# Altium PCB EASY-EAI-Nano-TB V1.01.PCBDOC (part 4 of 7)
Units mm, origin at the board's own origin, x right, y up, seen from the top; angles counter-clockwise.
Board outline 120 x 90 mm, 4 copper layers (Top Layer, GND, VCC, Bottom Layer); 667 components, 452 nets, 2251 pads, 1430 vias.
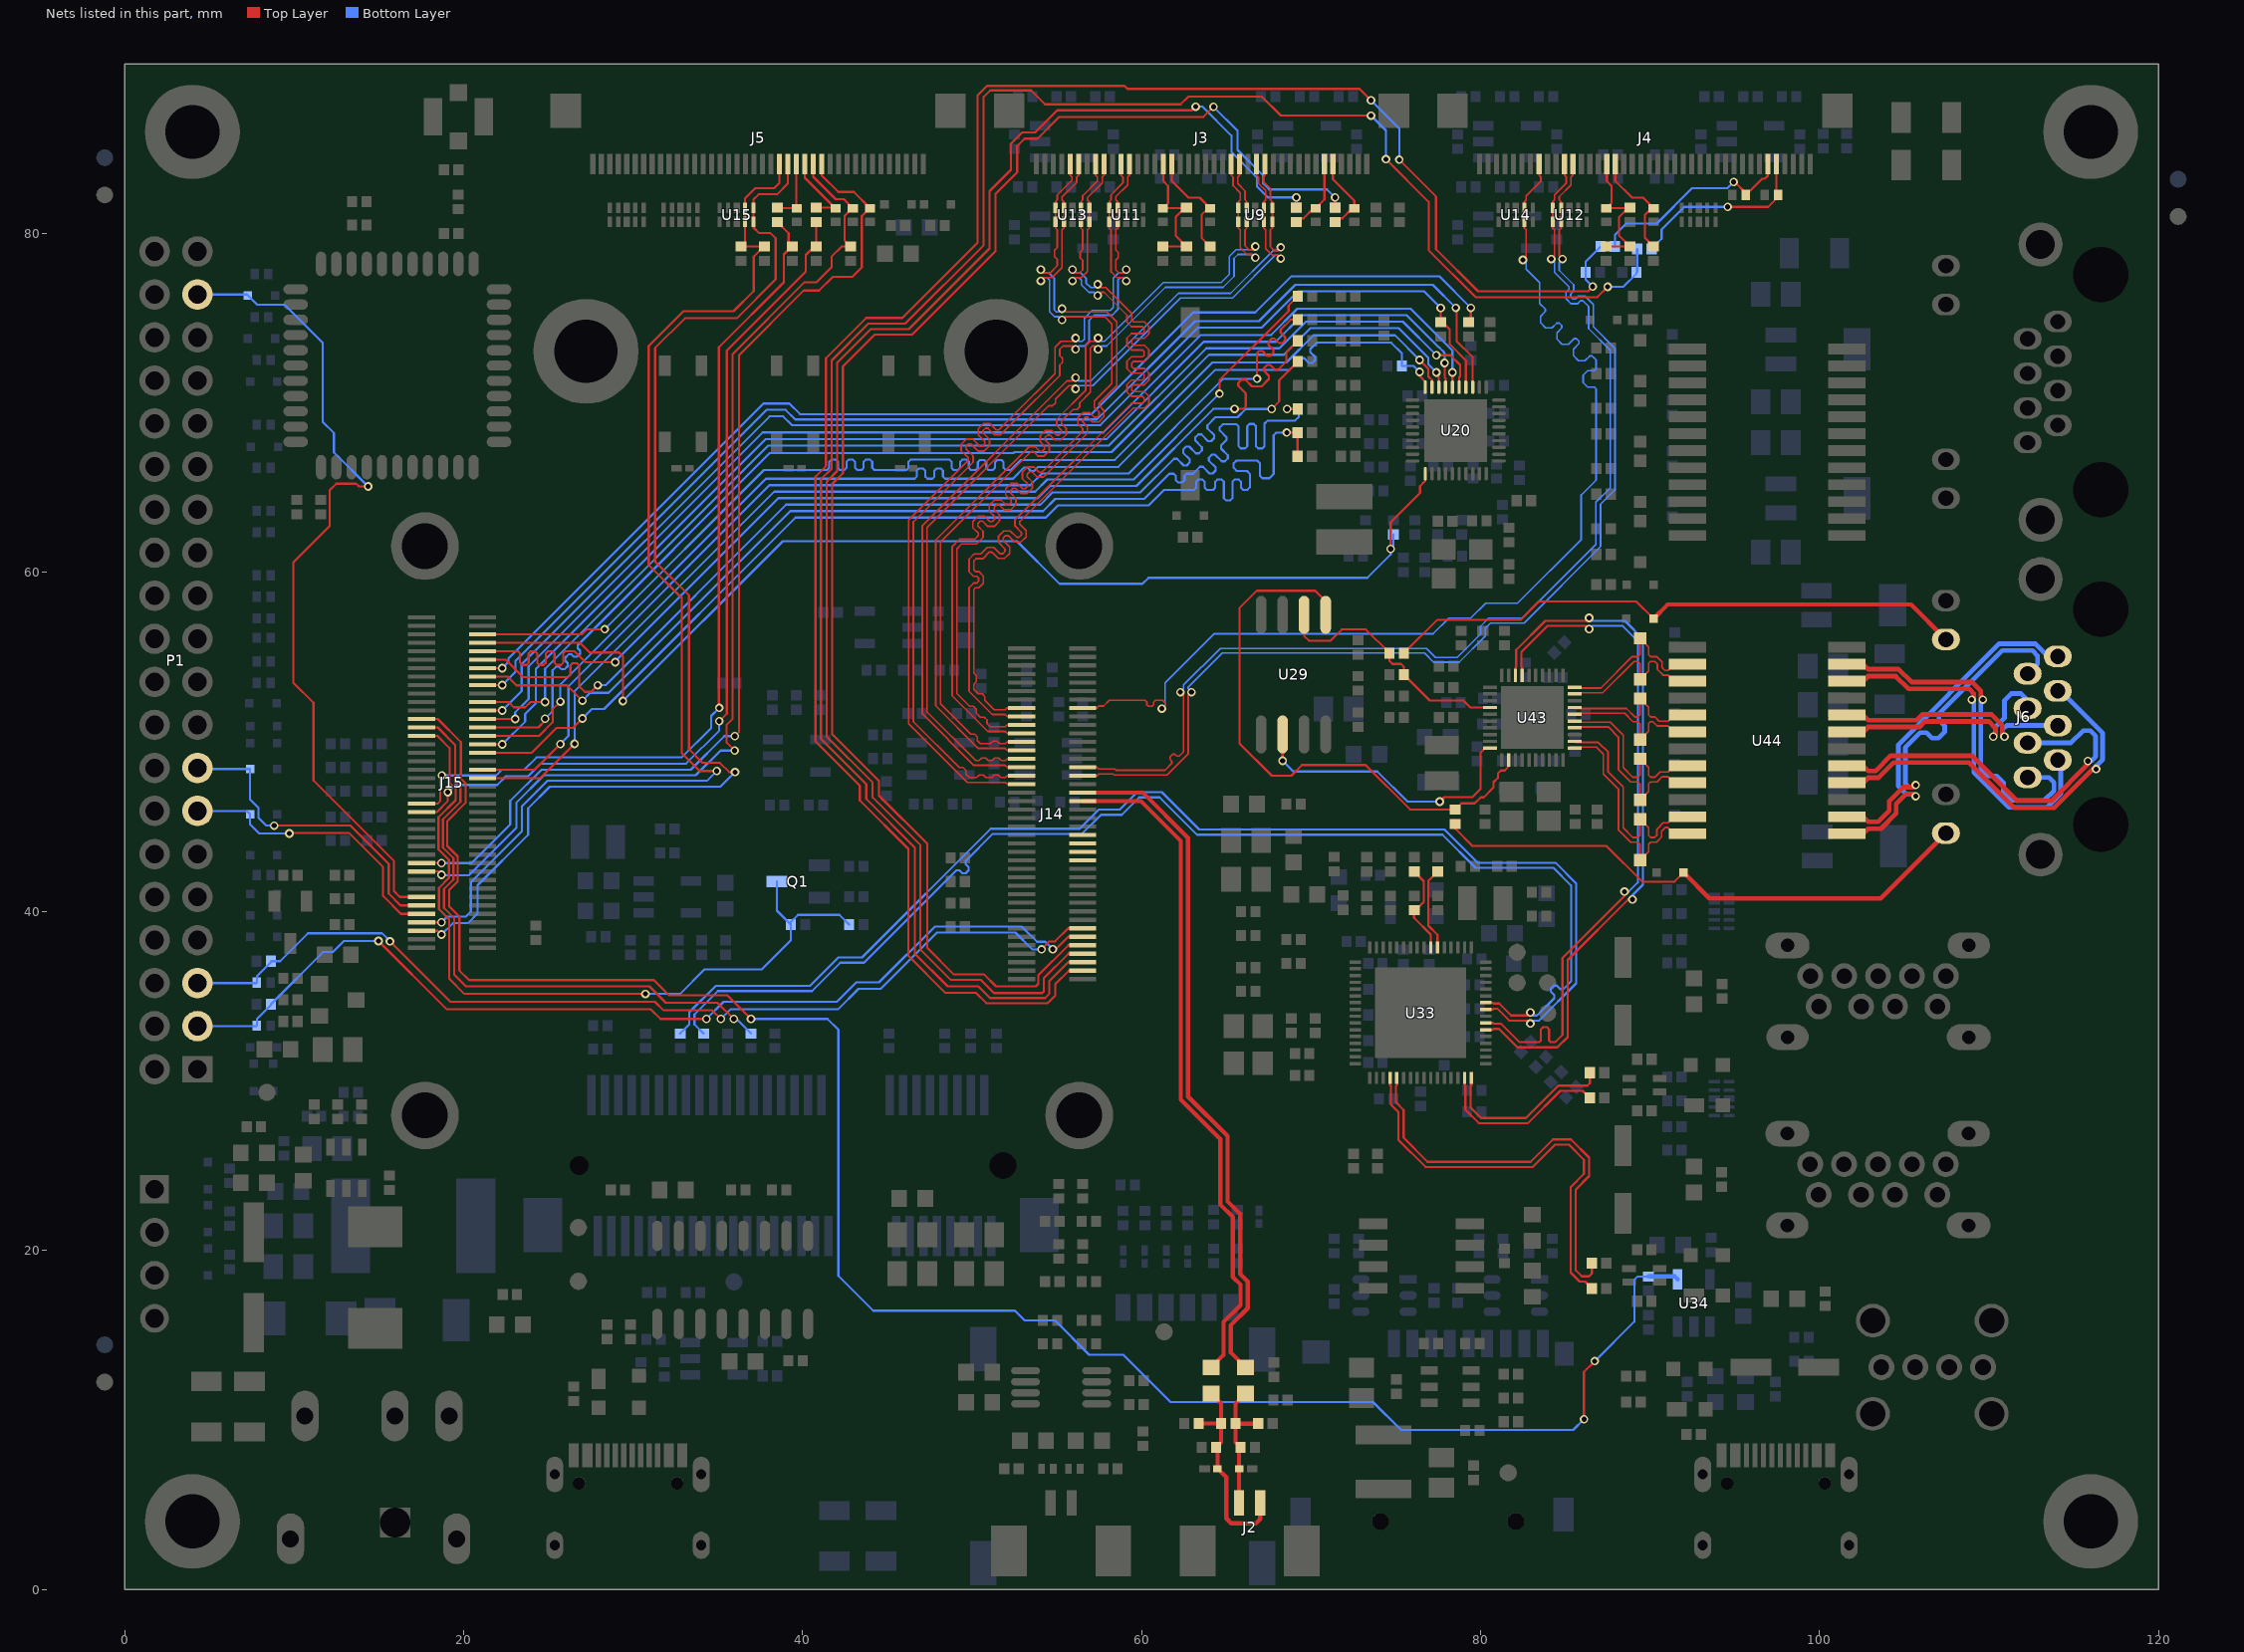
[diagram p6: the nets of this part, all layers, seen from the top]

## Via types
v1: diameter 0.508, hole 0.305, Top Layer to Bottom Layer, tented both sides, 1430 vias

## Nets (pads, with @x,y where several pads share a name; then routed paths per layer and width w, separated by ;. In a path a pad name is that pad's centre, name@x,y a point inside that pad or via, vN(x,y) a via of type N, cw(c..) or ccw(c..) an arc to the next point about the centre after c; other vN are vias at no path point) (continued)
ETH_MDC_M0: J15.63 U20.13 | length 73.7
  Top Layer w0.127: J15.63@21.124,53.359 v1(22.285,53.359) ; v1(78.54,75.62) 78.591,75.569 78.591,73.652 79.54,72.703 U20.13@79.54,70.931
  Bottom Layer w0.127: v1(22.285,53.359) 23.072,54.147 23.072,54.797 37.871,69.596 39.009,69.596 39.577,69.028 57.359,69.028 63.165,74.834 66.928,74.834 69.072,76.978 77.182,76.978 v1(78.54,75.62)
ETH_MDIO_M0: J15.57 R84.1 U20.14 | length 73.9
  Top Layer w0.127: J15.57@21.124,51.859 v1(22.285,51.859) ; v1(77.651,75.611) R84.1@77.651,74.775 77.753,74.775 78.187,74.341 78.187,73.472 79.14,72.519 U20.14@79.14,70.931
  Bottom Layer w0.127: v1(22.285,51.859) 23.433,53.008 23.433,54.596 38.053,69.215 38.862,69.215 39.373,68.704 57.574,68.704 63.323,74.453 67.086,74.453 69.23,76.597 76.665,76.597 v1(77.651,75.611)
ETH_RXCLK_M0: C89.2 J15.47 R90.2 | length 66.5
  Top Layer w0.127: J15.47@21.124,49.359 24.014,49.359 25.487,50.833 26.454,50.833 v1(27.012,51.392) ; v1(68.568,68.263) C89.2@69.204,68.263 R90.2@69.204,66.857
  Bottom Layer w0.127: v1(27.012,51.392) 27.568,51.947 28.29,51.947 39.589,63.246 54.352,63.246 55.072,63.966 60.412,63.966 61.323,64.877 63.092,64.877 63.219,65.004 63.219,65.359 63.346,65.486 63.6,65.486 63.727,65.359 63.727,65.004 63.854,64.877 64.221,64.877 64.348,65.004 64.348,65.359 64.475,65.486 64.729,65.486 64.856,65.359 64.856,64.394 64.983,64.267 65.237,64.267 65.364,64.394 65.364,65.359 65.491,65.486 65.745,65.486 65.872,65.359 65.872,65.004 65.999,64.877 66.241,64.877 66.392,65.028 66.392,65.821 66.224,65.989 65.626,65.989 65.44,66.176 65.44,66.443 65.603,66.606 66.819,66.606 66.986,66.439 66.986,65.707 67.128,65.565 67.543,65.565 67.793,65.815 67.793,68.098 67.958,68.263 v1(68.568,68.263)
ETH_RXCTL_M0: J15.65 R91.2 | length 67
  Top Layer w0.127: J15.65@21.124,53.859 22.612,53.859 23.124,53.347 26.106,53.347 v1(27.012,52.44) ; v1(68.589,69.651) R91.2@69.225,69.651
  Bottom Layer w0.127: v1(27.012,52.44) 27.474,52.902 28.56,52.902 39.286,63.627 54.194,63.627 54.914,64.347 60.158,64.347 61.644,65.832 61.897,65.832 62.024,65.705 62.024,65.451 62.151,65.324 62.405,65.324 62.532,65.451 62.532,65.705 62.659,65.832 63.032,65.832 63.44,66.24 63.619,66.24 64.014,65.845 64.194,65.845 64.374,66.025 64.374,66.204 63.979,66.599 63.979,66.779 64.158,66.959 64.338,66.959 64.733,66.563 64.913,66.563 65.092,66.743 65.092,66.923 64.697,67.318 64.697,67.497 65.012,67.812 65.012,67.992 64.617,68.387 64.617,68.567 64.797,68.746 65.606,68.746 65.733,68.619 65.733,67.451 65.86,67.324 66.114,67.324 66.241,67.451 66.241,68.638 66.368,68.765 66.622,68.765 66.749,68.638 66.749,67.451 66.876,67.324 67.13,67.324 67.257,67.451 67.257,68.778 67.445,68.966 69.067,68.966 69.281,69.181 69.281,69.522 69.152,69.651 v1(68.589,69.651)
ETH_RXD0_M0: J15.69 R86.2 | length 63.4
  Top Layer w0.127: J15.69@21.124,54.859 22.485,54.859 23.508,53.836 26.182,53.836 26.309,53.963 26.309,54.522 26.436,54.649 26.69,54.649 26.817,54.522 26.817,53.294 27.154,52.957 27.525,52.957 v1(27.917,53.35) ; v1(67.675,69.651) 68.123,70.099 68.123,71.343 R86.2@69.225,72.445
  Bottom Layer w0.127: v1(27.917,53.35) 28.376,53.35 39.034,64.008 54.036,64.008 54.756,64.728 59.93,64.728 61.914,66.712 62.094,66.712 62.489,66.317 62.669,66.317 62.848,66.496 62.848,66.676 62.453,67.071 62.453,67.251 62.633,67.43 62.812,67.43 63.207,67.035 63.387,67.035 63.567,67.215 63.567,67.394 63.171,67.79 63.171,67.969 63.351,68.149 63.531,68.149 63.926,67.754 64.105,67.754 64.285,67.933 64.285,68.113 63.89,68.508 63.89,68.688 64.366,69.164 65.668,69.164 66.154,69.651 v1(67.675,69.651)
ETH_RXD1_M0: J15.71 R87.2 | length 63.4
  Top Layer w0.127: J15.71@21.124,55.359 23.206,55.359 23.333,55.232 23.333,54.674 23.46,54.547 23.714,54.547 23.841,54.674 23.841,55.232 23.968,55.359 24.222,55.359 24.349,55.232 24.349,54.674 24.476,54.547 24.73,54.547 24.857,54.674 24.857,55.232 24.984,55.359 25.238,55.359 25.365,55.232 25.365,54.674 25.492,54.547 25.746,54.547 25.873,54.674 25.873,55.232 26,55.359 26.536,55.359 27.183,54.712 v1(28.956,54.712) ; v1(65.49,69.656) 66.003,69.656 66.152,69.805 66.152,70.57 65.71,71.012 65.71,71.195 65.9,71.384 66.123,71.384 66.518,70.99 67.082,70.99 67.52,71.428 67.52,71.608 67.233,71.895 67.233,72.075 67.412,72.254 67.592,72.254 67.879,71.967 68.059,71.967 68.538,72.446 68.538,72.986 R87.2@69.225,73.673
  Bottom Layer w0.127: v1(28.956,54.712) 28.981,54.712 28.981,54.793 38.578,64.389 53.879,64.389 54.598,65.109 59.697,65.109 64.245,69.656 v1(65.49,69.656)
ETH_RXD2_M0: J15.43 R88.2 | length 63.7
  Top Layer w0.127: J15.43@21.124,48.359 24.189,48.359 v1(25.711,49.881) ; v1(66.82,71.434) 66.82,72.953 66.823,72.955 66.95,73.082 67.13,73.082 67.417,72.795 67.597,72.795 67.776,72.974 67.776,73.154 67.489,73.441 67.489,73.621 67.668,73.801 67.848,73.801 68.114,73.535 68.293,73.535 68.473,73.715 68.473,73.894 68.207,74.16 68.207,74.339 68.785,74.918 R88.2@69.225,74.918
  Bottom Layer w0.127: v1(25.711,49.881) 26.187,50.357 26.187,53.287 38.052,65.151 53.438,65.151 54.123,65.837 59.233,65.837 64.83,71.434 v1(66.82,71.434)
ETH_RXD3_M0: J15.41 R89.2 | length 62.4
  Top Layer w0.127: J15.41@21.124,47.859 24.519,47.859 v1(26.553,49.893) ; v1(64.601,70.551) 64.601,71.348 68.674,75.421 68.674,75.754 R89.2@69.222,76.302
  Bottom Layer w0.127: v1(26.553,49.893) 26.553,52.988 38.335,64.77 53.721,64.77 54.44,65.49 59.54,65.49 v1(64.601,70.551)
ETH_TXCLK_M0: C76.1 J15.51 U20.20 | length 71.2
  Top Layer w0.127: J15.51@21.124,50.359 24.451,50.359 25.259,51.167 25.259,51.188 ; 25.26,51.188 25.26,51.557 25.259,51.926 v1(25.715,52.382) ; v1(76.406,71.835) 76.406,71.607 76.74,71.273 U20.20@76.74,70.931
  Bottom Layer w0.127: v1(25.715,52.382) 25.715,53.401 37.846,65.532 46.608,65.532 46.735,65.659 46.735,66.015 46.862,66.142 47.116,66.142 47.243,66.015 47.243,65.659 47.37,65.532 47.651,65.532 47.778,65.659 47.778,66.015 47.905,66.142 48.159,66.142 48.286,66.015 48.286,65.659 48.413,65.532 52.41,65.532 53.082,66.204 53.262,66.204 53.477,65.989 53.657,65.989 53.902,66.234 58.624,66.234 64.354,71.964 68.736,71.964 69.419,72.647 69.599,72.647 69.886,72.36 70.066,72.36 70.245,72.539 70.245,72.719 69.958,73.006 69.958,73.186 70.334,73.563 74.73,73.563 75.358,72.934 C76.1@75.358,72.191 76.051,72.191 v1(76.406,71.835)
ETH_TXCTL_M0: J15.75 U20.19 | length 71.6
  Top Layer w0.127: J15.75@21.124,56.359 27.004,56.359 27.3,56.655 v1(28.327,56.655) ; v1(76.406,72.547) 76.919,72.034 76.919,71.57 77.14,71.349 U20.19@77.14,70.931
  Bottom Layer w0.127: v1@28.227,56.556 v1(28.327,56.655) 37.721,66.05 41.386,66.05 41.449,66.05 41.576,66.177 41.576,66.532 41.703,66.659 41.957,66.659 42.084,66.532 42.084,66.177 42.211,66.05 42.465,66.05 42.592,66.177 42.592,66.532 42.719,66.659 42.973,66.659 43.1,66.532 43.1,66.177 43.227,66.05 43.481,66.05 43.608,66.177 43.608,66.532 43.735,66.659 43.989,66.659 44.116,66.532 44.116,66.177 44.243,66.05 46.127,66.05 46.254,66.177 46.254,66.532 46.381,66.659 48.667,66.659 48.794,66.532 48.794,66.177 48.921,66.05 49.175,66.05 49.302,66.177 49.302,66.532 49.429,66.659 49.683,66.659 49.81,66.532 49.81,66.177 49.937,66.05 50.211,66.05 50.338,66.177 50.338,66.507 50.465,66.634 50.719,66.634 50.846,66.507 50.846,66.177 50.973,66.05 51.227,66.05 51.354,66.177 51.354,66.507 51.481,66.634 51.735,66.634 51.862,66.507 51.862,66.177 51.989,66.05 52.29,66.05 52.887,66.647 58.426,66.647 64.175,72.396 68.549,72.396 70.148,73.994 74.959,73.994 v1(76.406,72.547)
ETH_TXD0_M0: J15.53 U20.18 | length 71
  Top Layer w0.127: J15.53@21.124,50.859 24.418,50.859 24.815,51.256 v1(24.815,51.373) ; v1(77.397,71.81) 77.54,71.667 U20.18@77.54,70.931
  Bottom Layer w0.127: v1(24.815,51.373) 25.251,51.809 25.251,54.226 25.46,54.435 25.64,54.435 25.783,54.292 25.963,54.292 26.143,54.471 26.143,54.651 25.999,54.794 25.999,54.974 26.197,55.172 26.377,55.172 26.52,55.028 26.7,55.028 26.88,55.208 26.88,55.388 26.736,55.531 26.736,55.711 38.081,67.056 52.457,67.056 52.505,67.104 58.236,67.104 63.986,72.853 68.395,72.853 69.969,74.426 75.162,74.426 76.914,72.674 76.914,72.293 v1(77.397,71.81)
ETH_TXD1_M0: J15.49 U20.17 | length 71.7
  Top Layer w0.127: J15.49@21.124,49.859 v1(22.285,49.859) ; v1(77.88,72.369) 77.88,71.505 77.94,71.445 U20.17@77.94,70.931
  Bottom Layer w0.127: v1(22.285,49.859) 23.632,51.207 23.632,51.657 24.267,52.292 24.267,54.32 37.813,67.866 57.921,67.866 63.67,73.615 67.919,73.615 69.488,75.184 75.649,75.184 77.562,73.271 77.581,73.271 77.842,73.01 77.842,72.991 77.88,72.953 v1(77.88,72.369)
ETH_TXD2_M0: J15.55 U20.16 | length 71.8
  Top Layer w0.127: J15.55@21.124,51.359 v1(23.048,51.359) ; U20.16@78.34,70.931 v1(78.34,71.81)
  Bottom Layer w0.127: v1(23.048,51.359) 23.048,51.747 23.84,52.539 23.84,54.467 37.645,68.272 57.752,68.272 63.502,74.021 67.646,74.021 69.19,75.565 75.877,75.565 78.34,73.102 v1(78.34,71.81)
ETH_TXD3_M0: J15.59 U20.15 | length 70.8
  Top Layer w0.127: J15.59@21.124,52.359 22.653,52.359 22.967,52.045 23.642,52.045 23.956,52.359 v1(24.807,52.359) ; v1(77.397,72.826) 78.231,72.826 78.804,72.253 78.804,71.581 78.74,71.518 U20.15@78.74,70.931
  Bottom Layer w0.127: v1(24.807,52.359) 24.807,54.32 37.971,67.485 58.079,67.485 63.828,73.234 68.13,73.234 69.699,74.803 75.42,74.803 v1(77.397,72.826)
FEPHY_RX_N: J14.35
FEPHY_RX_P: J14.33
FEPHY_TX_N: J14.31
FEPHY_TX_P: J14.29
FN_A: R189.1 U33.22 | length 4.9
  Top Layer w0.127: U33.22@77.464,37.868 77.464,38.62 76.921,39.163 76.921,41.797 R189.1@77.48,42.356
FN_B: R194.1 R195.2 U33.23 | length 5.4
  Top Layer w0.127: R195.2@76.083,42.356 76.658,41.781 76.658,40.562 76.166,40.07 R194.1@76.083,40.07 76.083,39.617 77.064,38.636 U33.23@77.064,37.868
GPIO5_A0_D: J15.56 R126.2 U34.4 | length 116.2
  Top Layer w0.13: J15.56@17.524,51.359 18.483,51.359 19.844,49.998 19.844,47.839 20.118,47.565 20.118,46.407 19.039,45.329 19.039,43.871 19.657,43.253 19.657,41.77 19.152,41.264 19.152,40.305 19.759,39.698 19.759,36.514 20.324,35.949 31.234,35.949 32.131,35.052 35.56,35.052 v1(36.957,33.655) ; v1(86.106,10.033) 86.106,12.827 v1(86.741,13.462)
  Bottom Layer w0.127: v1(86.741,13.462) 89.074,15.795 89.074,18.264 89.269,18.459 R126.2@89.916,18.459
  Bottom Layer w0.13: v1(36.957,33.655) 41.478,33.655 42.113,33.02 42.113,18.491 44.171,16.434 52.527,16.434 53.086,15.875 54.883,15.875 56.915,13.843 58.928,13.843 61.722,11.049 73.66,11.049 75.311,9.398 85.471,9.398 v1(86.106,10.033)
  Bottom Layer w0.254: R126.2@89.916,18.459 91.465,18.459 U34.4@91.633,18.291
GPIO5_A1_D: J15.54 R123.2 | length 36.2
  Top Layer w0.13: J15.54@17.524,50.859 18.475,50.859 19.51,49.824 19.51,47.686 19.819,47.377 19.819,46.472 18.783,45.435 18.783,43.765 19.401,43.147 19.401,41.876 18.851,41.327 18.851,40.205 19.442,39.614 19.442,36.288 20.144,35.585 30.963,35.585 31.932,34.616 34.98,34.616 v1(35.941,33.655)
  Bottom Layer w0.127: v1(35.941,33.655) 36.104,33.655 R123.2@36.967,32.792
GPIO5_A2_D: J15.52 Q1.3 R114.1 R118.1 | length 46.5
  Top Layer w0.13: J15.52@17.524,50.359 18.467,50.359 19.177,49.649 19.177,47.617 19.54,47.254 19.54,46.566 18.526,45.552 18.526,43.659 19.144,43.041 19.144,41.982 18.555,41.393 18.555,40.139 19.152,39.542 19.152,36.032 20.05,35.133 v1(30.733,35.133)
  Bottom Layer w0.13: v1(30.733,35.133) 32.765,35.133 34.208,36.576 37.592,36.576 39.316,38.3 R114.1@39.316,39.225 ; Q1.3@38.491,41.765 38.491,40.05 R114.1@39.316,39.225 ; R118.1@42.745,39.225 42.17,39.8 39.733,39.8 39.316,39.383 R114.1@39.316,39.225
GPIO5_B2_D: C57.2 J5.18 J15.8 R34.1 U15.2 U15.9 | length 68.6
  Top Layer w0.127: J15.8@17.524,39.36 v1(18.698,39.36) ; v1(34.939,48.29) 33.929,48.29 32.879,49.34 32.879,58.504 30.926,60.457 30.926,73.367 32.984,75.424 35.934,75.424 37.122,76.613 37.122,78.649 37.716,79.242 R34.1@37.76,79.242 C57.2@36.363,79.242 36.609,79.488 U15.9@36.609,80.688 U15.2@36.609,81.518 36.609,82.085 37.201,82.678 38.329,82.678 38.629,82.977 J5.18@38.629,84.101
  Bottom Layer w0.127: v1(18.698,39.36) 19.035,39.696 20.137,39.696 20.435,39.994 20.435,41.717 23.444,44.727 23.444,46.203 24.947,47.706 34.355,47.706 v1(34.939,48.29)
GPIO5_B3_D: J5.17 J15.6 U15.1 U15.10 | length 70.2
  Top Layer w0.127: J15.6@17.524,38.86 18.473,38.86 v1(18.698,38.634) ; v1(36.018,48.221) 35.675,48.221 35.128,48.768 34.112,48.768 33.299,49.581 33.299,58.653 31.308,60.644 31.308,73.254 33.059,75.005 36.124,75.005 38.417,77.299 38.417,79.725 38.1,80.042 37.424,80.042 37.109,80.357 U15.10@37.109,80.688 U15.1@37.109,81.518 37.109,82.022 37.409,82.322 38.497,82.322 39.129,82.955 J5.17@39.129,84.101
  Bottom Layer w0.127: v1(18.698,38.634) 19.372,39.308 20.256,39.308 20.827,39.879 20.827,41.551 23.809,44.533 23.809,46.081 25.09,47.362 35.159,47.362 v1(36.018,48.221)
GPIO5_B6_D: D16.1 J5.14 J15.20 R224.2 | length 62.7
  Top Layer w0.127: J15.20@17.524,42.36 18.499,42.36 v1(18.694,42.164) ; v1(35.998,49.497) 35.527,49.968 35.527,51.018 35.881,51.373 35.881,72.899 40.117,77.135 40.841,77.135 41.714,78.008 41.714,78.643 42.313,79.242 R224.2@42.84,79.242 42.477,79.606 42.477,81.032 42.948,81.503 D16.1@42.967,81.503 42.439,82.031 41.956,82.031 40.629,83.358 J5.14@40.629,84.101
  Bottom Layer w0.127: v1(18.694,42.164) 18.727,42.131 20.319,42.131 23.112,44.924 23.112,46.41 24.737,48.035 33.703,48.035 35.165,49.497 v1(35.998,49.497)
GPIO5_B7_D: D15.1 J5.13 J15.22 | length 62.4
  Top Layer w0.127: J15.22@17.524,42.859 v1@18.695,42.86 ; v1(36.002,50.35) 36.262,50.611 36.262,72.836 40.065,76.638 40.979,76.638 41.793,77.452 42.936,77.452 43.493,78.009 43.493,81.032 43.964,81.503 D15.1@43.983,81.503 43.029,82.457 42.111,82.457 41.129,83.439 J5.13@41.129,84.101
  Bottom Layer w0.127: v1(18.698,42.856) 20.482,42.856 22.758,45.133 22.758,46.523 24.6,48.365 33.404,48.365 35.389,50.35 v1(36.002,50.35)
GPIO5_C0_D: D55.2 J15.10 P1.13 | length 17.1
  Top Layer w0.127: v1(9.722,44.601) 9.744,44.623 13.258,44.623 15.256,42.625 15.256,40.905 16.302,39.86 J15.10@17.524,39.859
  Bottom Layer w0.127: P1.13@4.31,45.93 7.22,45.93 7.347,45.803 D55.2@7.41,45.74 7.41,45.13 7.939,44.601 v1(9.722,44.601)
GPIO5_C1_D: D56.2 J15.12 P1.15 | length 19
  Top Layer w0.127: v1(8.824,45.067) 13.322,45.067 15.58,42.808 15.58,41.054 16.275,40.36 J15.12@17.524,40.36
  Bottom Layer w0.127: P1.15@4.31,48.47 4.373,48.407 D56.2@7.41,48.407 7.41,46.595 7.897,46.108 7.897,45.532 8.363,45.067 v1(8.824,45.067)
GPIO5_C2_D: D73.2 J15.14 P1.37 | length 49.4
  Top Layer w0.127: v1(14.37,65.082) 13.835,65.082 13.67,65.247 12.499,65.247 12.093,64.841 12.093,62.728 9.952,60.587 9.952,53.504 11.146,52.311 11.146,47.734 15.9,42.98 15.9,41.206 15.92,41.187 15.92,41.175 16.18,40.915 16.191,40.915 16.247,40.86 J15.14@17.524,40.859
  Bottom Layer w0.127: P1.37@4.31,76.41 7.22,76.41 D73.2@7.283,76.347 7.829,75.801 9.453,75.801 11.684,73.57 11.684,68.902 12.354,68.232 12.354,67.098 v1(14.37,65.082)
GPIO6_A2_D: J15.73 R65.1 U20.31 | length 68.7
  Top Layer w0.127: J15.73@21.124,55.859 26.867,55.859 27.442,55.284 29.173,55.284 29.4,55.057 v1(29.4,52.413) ; v1(74.701,61.392) 74.701,62.967 76.432,64.697 76.432,65.104 76.74,65.413 U20.31@76.74,65.831
  Bottom Layer w0.127: v1(29.4,52.413) 38.836,61.849 52.654,61.849 55.169,59.334 60.057,59.334 60.413,59.69 73.321,59.69 74.701,61.07 v1(74.701,61.392) 74.857,61.547 R65.1@74.857,62.241
GPIO6_B6_D: J15.67 R85.1 | length 70.2
  Top Layer w0.127: J15.67@21.124,54.359 v1(22.285,54.359) ; R85.1@79.302,74.775 79.429,74.902 v1(79.429,75.62)
  Bottom Layer w0.127: v1(22.285,54.359) 22.65,54.724 22.65,54.933 37.694,69.977 39.221,69.977 39.849,69.348 57.055,69.348 63.052,75.346 66.716,75.346 68.86,77.489 77.56,77.489 v1(79.429,75.62)
HUB_D1_N: R168.1 U33.53 | length 25
  Top Layer w0.13: U33.53@75.064,30.168 75.064,29.753 75.016,29.705 75.016,28.731 75.463,28.284 75.463,26.645 76.88,25.228 82.963,25.228 84.278,26.543 85.344,26.543 86.411,25.476 86.411,24.385 85.622,23.596 85.622,18.818 85.975,18.466 86.411,18.466 86.569,18.624 R168.1@86.569,19.25
HUB_D1_P: R166.1 U33.52 | length 25
  Top Layer w0.13: U33.52@74.664,30.168 74.664,29.753 74.712,29.705 74.712,28.605 75.159,28.157 75.159,26.518 76.754,24.923 83.089,24.923 84.404,26.238 85.218,26.238 86.106,25.35 86.106,24.511 85.317,23.722 85.317,18.692 85.848,18.161 86.169,18.161 R166.1@86.571,17.759
HUB_D2_N: R180.1 U33.64 | length 10.5
  Top Layer w0.13: U33.64@79.464,30.168 79.464,29.753 79.416,29.705 79.416,28.427 80.03,27.813 82.677,27.813 84.582,29.718 86.309,29.718 86.45,29.859 R180.1@86.45,30.484
HUB_D2_P: R179.1 U33.63 | length 10.5
  Top Layer w0.13: U33.63@79.064,30.168 79.064,29.753 79.112,29.705 79.112,28.3 79.904,27.508 82.803,27.508 84.708,29.413 86.032,29.413 R179.1@86.453,28.993
HUB_D3_N: U33.7 U43.17 | length 41.3
  Top Layer w0.13: U33.7@80.314,33.418 80.729,33.418 80.776,33.37 81.217,33.37 82.304,32.283 83.464,32.283 83.566,32.385 83.566,33.045 83.693,33.172 83.922,33.172 84.049,33.045 84.049,32.385 84.15,32.283 84.404,32.283 84.836,32.715 84.836,37.261 88.495,40.92 v1(88.495,41.172) ; U43.17@82.458,53.934 82.458,54.384 82.41,54.432 82.41,55.309 83.946,56.845 86.233,56.845 v1(86.411,56.667)
  Bottom Layer w0.13: v1(86.411,56.667) 86.589,56.845 88.393,56.845 89.281,55.957 89.281,41.706 88.747,41.172 v1(88.495,41.172)
HUB_D3_P: U33.6 U43.18 | length 41.3
  Top Layer w0.13: U33.6@80.314,33.018 80.729,33.018 80.776,33.066 81.09,33.066 82.177,31.979 84.53,31.979 85.141,32.589 85.141,37.135 88.711,40.705 v1(88.962,40.705) ; U43.18@82.058,53.934 82.058,54.382 82.106,54.43 82.106,55.436 83.82,57.15 86.233,57.15 v1(86.411,57.328)
  Bottom Layer w0.13: v1(86.411,57.328) 86.589,57.15 88.519,57.15 89.586,56.083 89.586,41.58 88.962,40.956 v1(88.962,40.705)
HUB_D4_N: R119.2 U33.10 | length 74
  Top Layer w0.13: U33.10@80.314,34.618 80.729,34.618 80.776,34.57 81.107,34.57 81.811,33.866 82.763,33.866 v1(82.941,34.043)
  Bottom Layer w0.13: R119.2@34.173,32.792 33.627,33.338 33.627,33.926 35.007,35.306 40.56,35.306 42.236,36.982 43.633,36.982 49.08,42.429 49.26,42.429 49.439,42.251 49.619,42.251 49.8,42.431 49.8,42.612 49.621,42.79 49.621,42.971 51.229,44.578 56.484,44.578 57.611,45.706 58.837,45.706 59.867,46.736 61.069,46.736 63.279,44.526 77.75,44.526 79.706,42.57 84.303,42.57 85.344,41.529 85.344,35.878 84.888,35.423 84.708,35.423 84.504,35.627 84.323,35.627 84.143,35.446 84.143,35.266 84.347,35.062 84.347,34.881 83.331,33.866 83.119,33.866 v1(82.941,34.043)
HUB_D4_P: R120.2 U33.9 | length 74
  Top Layer w0.13: U33.9@80.314,34.218 80.729,34.218 80.776,34.266 80.98,34.266 81.685,33.561 82.763,33.561 v1(82.941,33.383)
  Bottom Layer w0.13: R120.2@32.776,32.792 33.322,33.338 33.322,34.052 34.88,35.611 40.434,35.611 42.11,37.287 43.507,37.287 51.103,44.883 56.357,44.883 57.485,46.01 58.71,46.01 59.741,47.041 61.195,47.041 63.405,44.831 77.876,44.831 79.832,42.875 84.429,42.875 85.649,41.655 85.649,35.752 83.458,33.561 83.119,33.561 v1(82.941,33.383)
I2C1_SCL_M2: J14.9 R18.2 R19.1 | length 90.9
  Top Layer w0.127: J14.9@56.524,38.01 55.685,38.01 53.915,36.241 53.915,35.728 53.767,35.58 51.42,35.58 50.704,36.297 48.912,36.297 47.357,37.852 47.357,43.99 44.513,46.834 44.513,47.693 41.751,50.455 41.751,65.226 42.376,65.851 42.376,72.16 44.251,74.035 46.452,74.035 51.384,78.968 51.384,82.344 52.66,83.62 52.66,85.165 53.099,85.605 53.864,85.605 55.15,86.891 63.653,86.891 v1(64.247,87.485) ; R19.1@71.415,81.528 v1(71.415,82.139)
  Bottom Layer w0.127: v1(64.247,87.485) 65.661,86.071 65.661,84.947 67.181,83.427 67.181,82.951 67.523,82.608 70.945,82.608 v1(71.415,82.139) R18.2@71.415,81.528
I2C1_SDA_M2: J14.7 R22.2 R23.1 | length 89.8
  Top Layer w0.127: J14.7@56.524,37.511 55.684,37.51 54.239,36.066 54.239,35.288 54.138,35.187 51.297,35.187 50.53,35.955 48.754,35.955 46.958,37.75 46.958,43.907 44.135,46.731 44.135,47.604 41.421,50.318 41.421,65.363 42.046,65.988 42.046,72.377 44.034,74.365 46.27,74.365 51.029,79.124 51.029,82.5 52.298,83.77 52.298,85.315 52.95,85.967 53.714,85.967 55.026,87.279 62.983,87.279 v1(63.198,87.494) ; R23.1@69.129,81.528 v1(69.129,82.139)